# Altium PCB MT-PowerDispatch V1.0.0.PcbDoc (part 1 of 4) (continued)
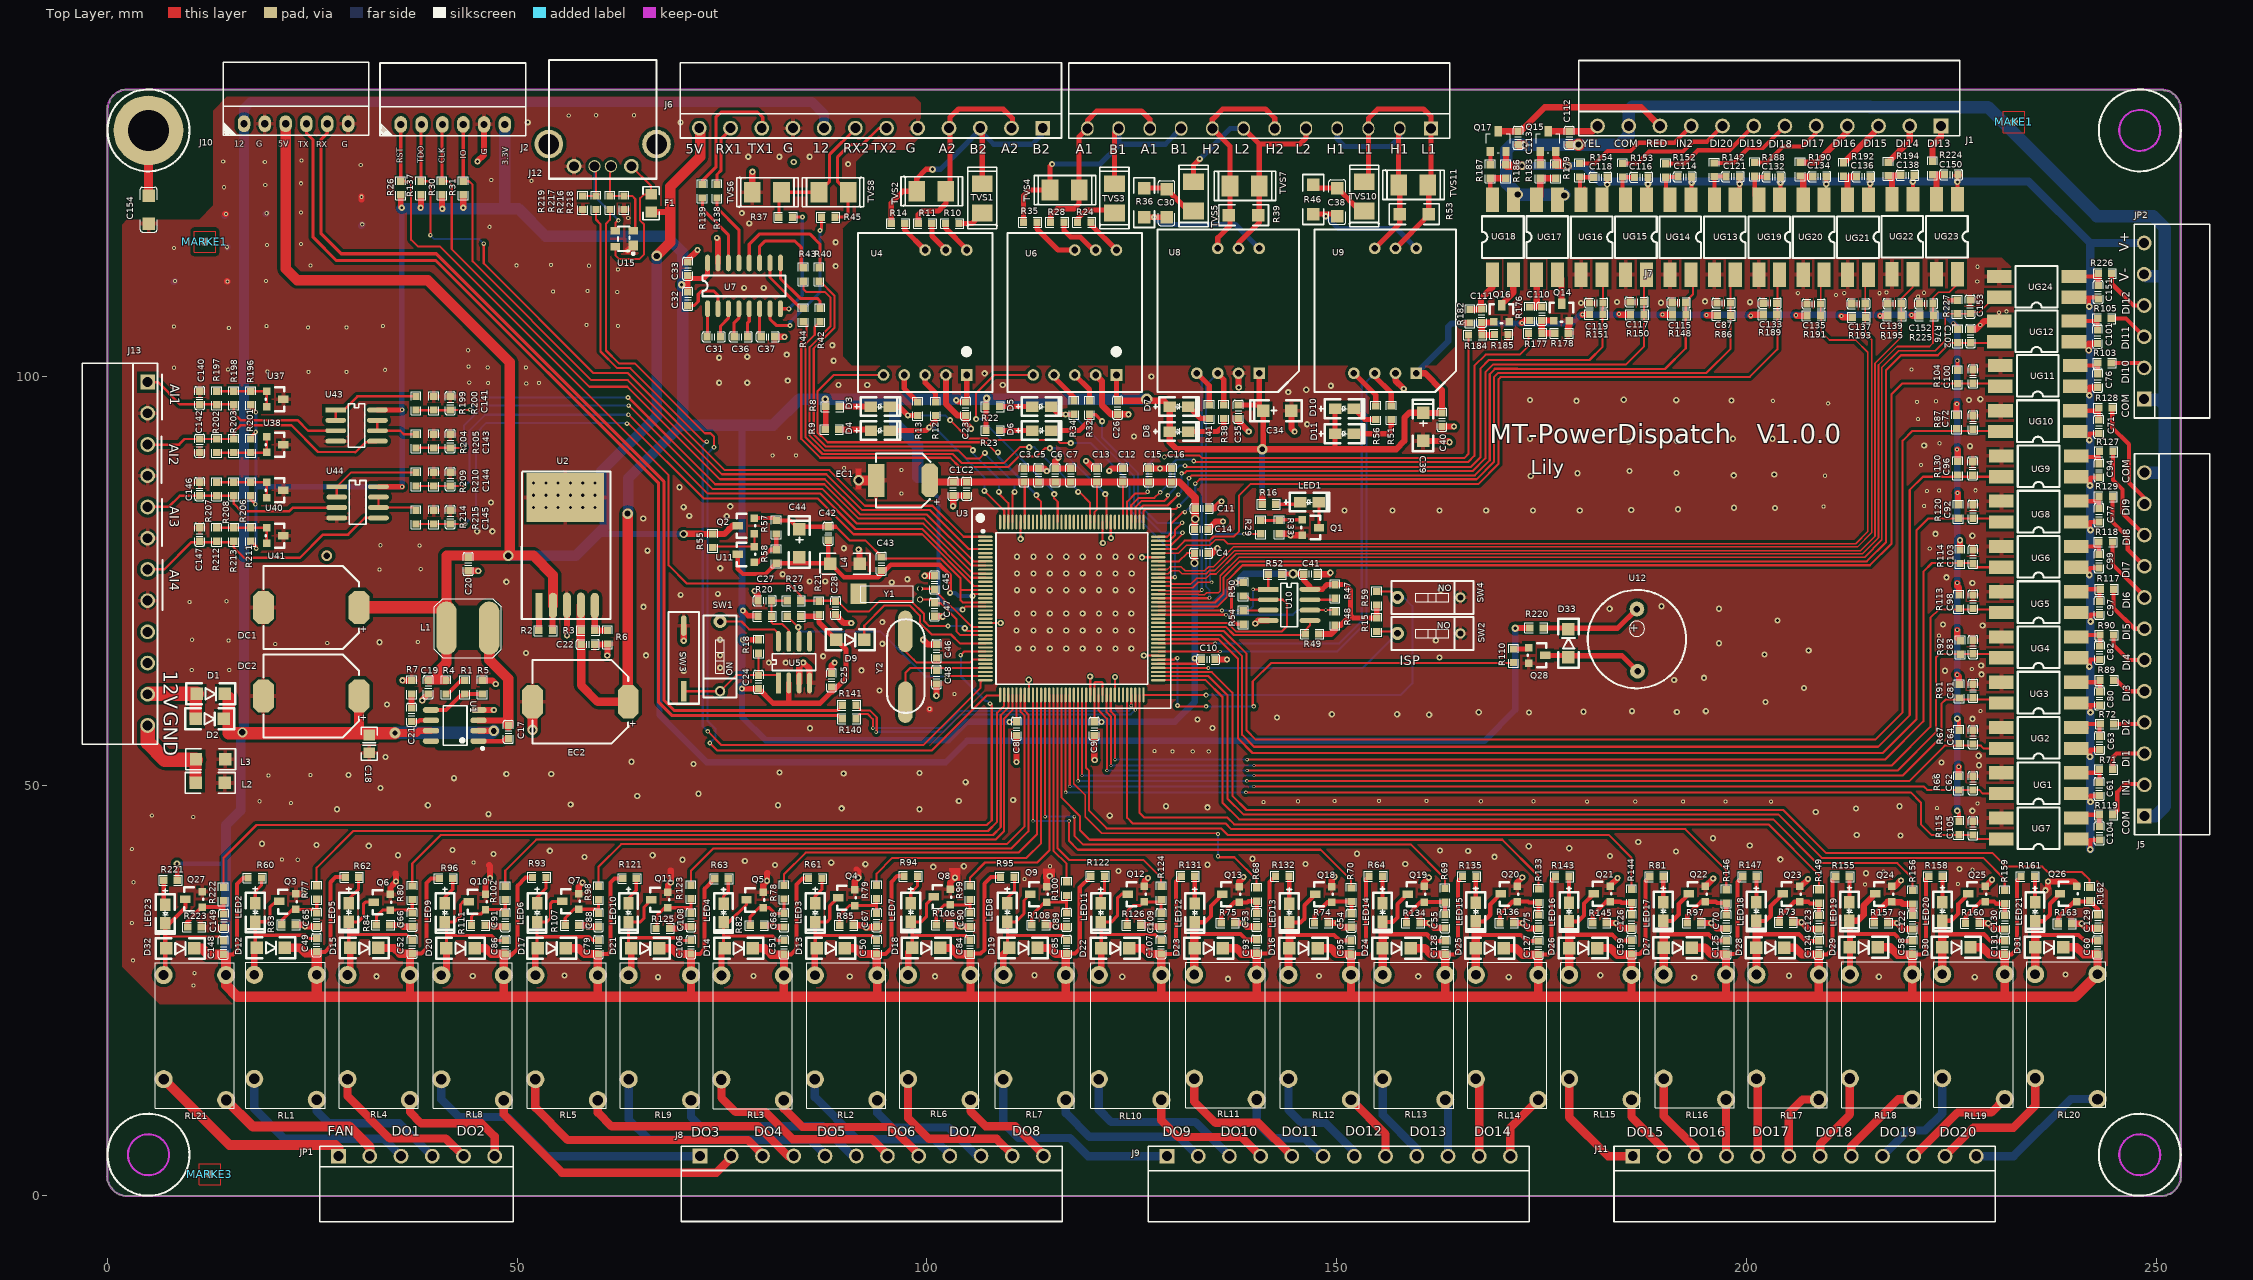
[diagram p0: Top Layer view]
## Components (designator, comment, footprint, x,y, rotation, side; value= is the part's Value field where it differs from the comment) (continued)
R12 "100R" 0603R 101.047,96.044 r90 top
R13 "100R" 0603R 98.888,96.044 r90 top
R14 "10R" 0603R 96.475,118.65 r180 top
R15 "10K" 0603R 154.889,69.672 r90 top
R16 "10K" 0603R 141.738,84.385 r180 top
R18 "10K" 0603R 79.457,67.02 r90 top
R19 "10K" 0603R 83.775,70.703 r180 top
R20 "10K" 0603R 80.219,70.703 r0 top
R21 "10K" 0603R 86.823,71.719 r90 top
R22 "2K" 0603R 108.032,96.298 r180 top
R23 "2K" 0603R 108.032,93.377 r180 top
R24 "10R" 0603R 119.208,118.777 r180 top
R26 "10K" 0603R 35.794,122.968 r270 top
R27 "1kR" 0603R 83.775,72.608 r0 top
R28 "10R" 0603R 115.906,118.777 r180 top
R29 "10K" 0603R 140.722,81.591 r90 top
R30 "10K" 0603R 40.832,122.968 r270 top
R31 "10K" 0603R 43.414,122.968 r270 top
R32 "100R" 0603R 119.843,96.171 r90 top
R33 "10K" 0603R 143.008,81.591 r90 top
R34 "100R" 0603R 117.938,96.171 r90 top
R35 "10R" 0603R 112.604,118.777 r180 top
R36 "1M" 1206R 126.511,122.976 r270 top
R37 "10R" 0603R 82.759,119.412 r180 top
R38 "2k" 0603R 136.226,95.663 r90 top
R39 "120R" 1206R 140.425,119.665 r180 top
R40 "0R" 0603R 86.823,112.427 r90 top
R41 "2k" 0603R 134.448,95.663 r90 top
R42 "0R" 0603R 86.95,107.474 r90 top
R43 "0R" 0603R 84.918,112.427 r90 top
R44 "0R" 0603R 84.918,107.474 r90 top
R45 "10R" 0603R 87.966,119.412 r0 top
R46 "1M" 1206R 147.147,119.785 r90 top
R47 "10K" 0603R 149.789,73.743 r270 top
R48 "10K" 0603R 149.789,70.441 r90 top
R49 "10K" 0603R 146.995,68.555 r180 top
R50 "10K" 0603R 138.613,73.997 r270 top
R51 "2k" 0603R 156.673,95.536 r90 top
R52 "10K" 0603R 142.474,75.851 r180 top
R53 "120R" 1206R 161.253,119.792 r180 top
R54 "10K" 0603R 138.613,70.568 r90 top
R55 "2K" 0603R 73.869,79.915 r90 top
R56 "2k" 0603R 154.768,95.536 r90 top
R57 "3.3k1%" 0603R 81.616,81.566 r90 top
R58 "10k1%" 0603R 81.616,78.01 r90 top
R59 "10K" 0603R 154.889,72.898 r270 top
R60 "10K" 0603R 17.976,38.767 r180 top
R61 "10K" 0603R 86.366,38.716 r180 top
R62 "10K" 0603R 29.825,38.869 r180 top
R63 "10K" 0603R 74.936,38.691 r180 top
R64 "10K" 0603R 154.768,38.989 r180 top
R66 "10K" 0603R 225.888,50.343 r270 top
R67 "10K" 0603R 225.933,55.982 r270 top
R68 "5.1K" 0603R 140.239,36.754 r270 top
R69 "5.1K" 0603R 163.226,36.652 r270 top
R70 "5.1K" 0603R 151.771,36.728 r270 top
R71 "10K" 0603R 243.891,52.019 r180 top
R72 "10K" 0603R 244.018,57.556 r180 top
R73 "4.7K" 0603R 204.831,33.376 r180 top
R74 "4.7K" 0603R 148.113,33.274 r180 top
R75 "4.7K" 0603R 136.734,33.274 r180 top
R76 "10K" 0603R 225.781,104.902 r270 top
R77 "5.1K" 0603R 25.533,36.989 r270 top
R78 "5.1K" 0603R 82.556,37.04 r270 top
R79 "5.1K" 0603R 93.859,37.065 r270 top
R80 "5.1K" 0603R 37.191,36.964 r270 top
R81 "10K" 0603R 189.032,38.938 r180 top
R82 "4.7K" 0603R 79.254,32.976 r180 top
R83 "4.7K" 0603R 22.104,33.052 r180 top
R84 "4.7K" 0603R 33.635,33.027 r180 top
R85 "4.7K" 0603R 90.176,33.001 r180 top
R86 "10K" 0603R 197.256,107.442 r0 top
R87 "10K" 0603R 225.654,94.412 r270 top
R89 "10K" 0603R 243.967,62.916 r180 top
R90 "10K" 0603R 243.967,68.428 r180 top
R91 "10K" 0603R 225.958,61.57 r270 top
R92 "10K" 0603R 226.085,66.904 r270 top
R93 "10K" 0603R 52.685,38.843 r180 top
R94 "10K" 0603R 98.024,38.996 r180 top
R95 "10K" 0603R 109.81,38.869 r180 top
R96 "10K" 0603R 41.306,38.716 r180 top
R97 "4.7K" 0603R 193.604,33.274 r180 top
R98 "5.1K" 0603R 59.924,36.938 r270 top
R99 "5.1K" 0603R 105.263,36.964 r270 top
R100 "5.1K" 0603R 117.049,37.472 r270 top
R102 "5.1K" 0603R 48.545,36.938 r270 top
R103 "10K" 0603R 243.713,101.625 r180 top
R104 "10K" 0603R 225.755,99.898 r270 top
R105 "10K" 0603R 243.688,107.036 r180 top
R106 "4.7K" 0603R 101.961,33.027 r180 top
R107 "4.7K" 0603R 56.686,33.001 r180 top
R108 "4.7K" 0603R 113.62,33.027 r180 top
R110 "4K7" 0603R 171.577,65.888 r270 top
R111 "4.7K" 0603R 45.243,33.001 r180 top
R113 "10K" 0603R 225.933,72.492 r270 top
R114 "10K" 0603R 226.066,77.978 r270 top
R115 "10K" 0603R 225.933,44.882 r270 top
R117 "10K" 0603R 243.992,74.016 r180 top
R118 "10K" 0603R 243.84,79.781 r180 top
R119 "10K" 0603R 243.891,46.482 r180 top
R120 "10K" 0603R 225.837,83.49 r270 top
R121 "10K" 0603R 63.709,38.716 r180 top
R122 "10K" 0603R 120.833,38.97 r180 top
R123 "5.1K" 0603R 71.202,37.065 r270 top
R124 "5.1K" 0603R 128.58,36.938 r270 top
R125 "4.7K" 0603R 67.773,32.62 r180 top
R126 "4.7K" 0603R 125.256,33.001 r180 top
R127 "10K" 0603R 243.916,90.805 r180 top
R128 "10K" 0603R 243.815,96.114 r180 top
R129 "10K" 0603R 243.865,85.293 r180 top
R130 "10K" 0603R 225.781,88.773 r270 top
R131 "10K" 0603R 131.857,38.989 r180 top
R132 "10K" 0603R 143.363,38.989 r180 top
R133 "5.1K" 0603R 174.631,36.601 r270 top
R134 "4.7K" 0603R 159.34,33.274 r180 top
R135 "10K" 0603R 166.172,38.964 r180 top
R136 "4.7K" 0603R 170.77,33.274 r180 top
R137 "10K" 0603R 38.25,122.968 r270 top
R138 "10R" 0603R 74.377,122.587 r90 top
R139 "10R" 0603R 72.599,122.587 r90 top
R140 "10R" 0603R 90.506,58.198 r0 top
R141 "10R" 0603R 90.506,59.849 r0 top
R142 "10K" 0603R 196.088,125.197 r270 top
R143 "10K" 0603R 177.526,38.938 r180 top
R144 "5.1K" 0603R 185.984,36.576 r270 top
R145 "4.7K" 0603R 182.073,33.274 r180 top
R146 "5.1K" 0603R 197.541,36.525 r270 top
R147 "10K" 0603R 200.386,38.938 r180 top
R148 "10K" 0603R 191.795,107.518 r0 top
R149 "5.1K" 0603R 208.844,36.5 r270 top
R150 "10K" 0603R 186.69,107.518 r0 top
R151 "10K" 0603R 181.686,107.544 r0 top
R152 "10K" 0603R 190.17,125.12 r270 top
R153 "10K" 0603R 184.887,125.146 r270 top
R154 "10K" 0603R 179.68,125.146 r270 top
R155 "10K" 0603R 211.74,38.938 r180 top
R156 "5.1K" 0603R 220.274,36.424 r270 top
R157 "4.7K" 0603R 216.439,33.274 r180 top
R158 "10K" 0603R 223.068,38.964 r180 top
R159 "5.1K" 0603R 231.527,36.449 r270 top
R160 "4.7K" 0603R 227.564,33.249 r180 top
R161 "10K" 0603R 234.346,38.964 r180 top
R162 "5.1K" 0603R 241.884,36.83 r270 top
R163 "4.7K" 0603R 238.867,33.198 r180 top
R176 "2K" 0603R 173.564,107.62 r90 top
R177 "3K" 0603R 174.224,105.258 r180 top
R178 "2K" 0603R 177.45,105.258 r180 top
R179 "10K" 0603R 176.739,124.993 r90 top
R182 "2K" 0603R 166.268,107.315 r90 top
R183 "1.5k" 0603R 174.834,124.993 r90 top
R184 "3K" 0603R 166.903,105.029 r180 top
R185 "2K" 0603R 170.078,105.105 r180 top
R186 "10K" 0603R 170.643,124.993 r90 top
R187 "1.5K" 0603R 168.738,124.993 r90 top
R188 "10K" 0603R 201.016,125.247 r270 top
R189 "10K" 0603R 202.87,107.493 r0 top
R190 "10K" 0603R 206.578,125.273 r270 top
R191 "10K" 0603R 208.229,107.391 r0 top
R192 "10K" 0603R 211.861,125.222 r270 top
R193 "10K" 0603R 213.741,107.213 r0 top
R194 "10K" 0603R 217.297,125.298 r270 top
R195 "10K" 0603R 218.084,107.366 r0 top
R196 "100R" 0603R 17.481,97.342 r270 top
R197 "4.7K/1%" 0603R 13.328,97.342 r90 top
R198 "4.7K/1%" 0603R 15.405,97.342 r90 top
R199 "200/1%" 0603R 37.643,96.698 r90 top
R200 "470/1%" 0603R 39.827,96.698 r270 top
R201 "100R" 0603R 17.481,91.515 r90 top
R202 "470R/1%" 0603R 13.328,91.515 r270 top
R203 "470R/1%" 0603R 15.405,91.515 r270 top
R204 "200/1%" 0603R 37.643,92.075 r90 top
R205 "470/1%" 0603R 39.827,92.075 r270 top
R206 "100R" 0603R 17.481,86.234 r270 top
R207 "470R/1%" 0603R 13.328,86.234 r90 top
R208 "470R/1%" 0603R 15.405,86.234 r90 top
R209 "200/1%" 0603R 37.643,87.435 r90 top
R210 "470/1%" 0603R 39.827,87.435 r270 top
R211 "100R" 0603R 17.481,80.68 r270 top
R212 "470R/1%" 0603R 13.328,80.68 r90 top
R213 "470R/1%" 0603R 15.405,80.68 r90 top
R214 "200/1%" 0603R 37.643,82.804 r90 top
R215 "470/1%" 0603R 39.827,82.804 r270 top
R216 "33R" 0603R 61.316,121.183 r270 top
R217 "33R" 0603R 59.614,121.183 r270 top
R218 "15K" 0603R 63.043,121.184 r90 top
R219 "15K" 0603R 58.014,121.184 r90 top
R220 "10R" 0603R 174.371,69.291 r180 top
R221 "10K" 0603R 7.696,38.506 r0 top
R222 "5.1K" 0603R 14.148,36.805 r270 top
R223 "4.7K" 0603R 10.617,32.791 r180 top
R224 "10K" 0603R 222.707,125.4 r270 top
R225 "10K" 0603R 221.996,107.366 r0 top
R226 "10K" 0603R 243.764,112.547 r180 top
R227 "10K" 0603R 225.73,108.458 r270 top
RL1 "JQ1P-24V" HF32F-12V 18.929,26.956 r90 top
RL2 "JQ1P-24V" HF32F-12V 87.339,26.905 r90 top
RL3 "JQ1P-24V" HF32F-12V 75.937,26.88 r90 top
RL4 "JQ1P-24V" HF32F-12V 30.305,26.931 r90 top
RL5 "JQ1P-24V" HF32F-12V 53.236,26.905 r90 top
RL6 "JQ1P-24V" HF32F-12V 98.716,26.931 r90 top
RL7 "JQ1P-24V" HF32F-12V 110.346,26.931 r90 top
RL8 "JQ1P-24V" HF32F-12V 41.758,26.905 r90 top locked
RL9 "JQ1P-24V" HF32F-12V 64.612,26.905 r90 top
RL10 "JQ1P-24V" HF32F-12V 122.002,26.931 r90 top
RL11 "JQ1P-24V" HF32F-12V 133.635,26.981 r90 top
RL12 "JQ1P-24V" HF32F-12V 145.141,26.956 r90 top
RL13 "JQ1P-24V" HF32F-12V 156.647,26.956 r90 top
RL14 "JQ1P-24V" HF32F-12V 168.001,26.956 r90 top
RL15 "JQ1P-24V" HF32F-12V 179.38,26.956 r90 top
RL16 "JQ1P-24V" HF32F-12V 190.912,26.981 r90 top
RL17 "JQ1P-24V" HF32F-12V 202.24,26.981 r90 top
RL18 "JQ1P-24V" HF32F-12V 213.645,27.007 r90 top
RL19 "JQ1P-24V" HF32F-12V 224.923,27.032 r90 top
RL20 "JQ1P-24V" HF32F-12V 236.251,27.032 r90 top
RL21 "JQ1P-24V" HF32F-12V 7.874,26.924 r90 top
SW1 "SW SPST" SW1#1 74.747,61.553 r0 top
SW2 "SW SPST" SW1#2 165.938,68.605 r90 top
SW3 "按键" SW 70.32,61.566 r90 top
SW4 "SW SPST" SW1#2 165.938,73 r90 top
TVS1 "BA301N" 3528TVS 106.762,119.92 r270 top
TVS2 "BA301N" 3528TVS 98.763,122.581 r180 top
TVS3 "BA301N" 3528TVS 122.891,119.92 r270 top
TVS4 "BA301N" 3528TVS 115.017,122.714 r180 top
TVS5 "BA301N" 3528TVS 132.543,120.174 r270 top
TVS6 "BA301N" 3528TVS 78.697,122.454 r180 top
TVS7 "BA301N" 3528TVS 136.99,123.216 r180 top
TVS8 "BA301N/NC" 3528TVS 90.379,122.46 r0 top
TVS10 "BA301N" 3528TVS 153.364,120.172 r270 top
TVS11 "BA301N" 3528TVS 157.562,123.349 r180 top
U1 "EUP3484" SOP-8 42.373,57.379 r90 top
U2 "MIC29302" TO5B 52.66,72.009 r90 top
U3 "LPC1778FBD144" LC-LQFP-144_20x20x05P 117.684,71.66 r270 top locked
U4 "RSM485S_CTM8251T" RSM485 104.857,100.159 r180 top locked
U5 "SP706SEN" SOP8 81.876,62.581 r90 top
U6 "RSM485S_CTM8251T" RSM485 123.128,100.159 r180 top locked
U7 "SP3232" SO-16 73.226,108.241 r90 top
U8 "CTM8251" CTM8251KT 140.561,100.362 r90 top locked
U9 "CTM8251" CTM8251KT 159.721,100.362 r90 top locked
U10 "FM25CL64" SOP8 141.668,73.991 r0 top
U11 "CJ431" SOT23#1 78.958,77.311 r90 top
U12 "BELL" BUZ 191.719,67.793 r180 top
U15 "PRTR5V0U2X" SOT-143B 64.16,115.951 r90 top
U37 "TL431" SOT23#1 19.431,98.146 r270 top
U38 "TL431" SOT23#1 19.431,92.591 r270 top
U40 "TL431" SOT23#1 19.431,87.037 r270 top
U41 "TL431" SOT23#1 19.431,81.483 r270 top
U43 "LM258" SOP8 27.864,95.885 r0 top
U44 "LM258" SOP8 27.991,86.512 r0 top
UG1 "PS2501L-1" DIP-4 240.213,49.066 r270 top
UG2 "PS2501L-1" DIP-4 240.213,54.59 r270 top
UG3 "PS2501L-1" DIP-4 240.213,60.113 r270 top
UG4 "PS2501L-1" DIP-4 240.213,65.637 r270 top
UG5 "PS2501L-1" DIP-4 240.213,71.161 r270 top
UG6 "PS2501L-1" DIP-4 240.213,76.684 r270 top
UG7 "PS2501L-1" DIP-4 240.213,43.542 r270 top
UG8 "PS2501L-1" DIP-4 240.213,82.208 r270 top
UG9 "PS2501L-1" DIP-4 240.213,87.732 r270 top
UG10 "PS2501L-1" DIP-4 240.137,93.243 r270 top
UG11 "PS2501L-1" DIP-4 240.112,98.771 r270 top
UG12 "PS2501L-1" DIP-4 239.959,104.197 r270 top
UG13 "PS2501L-1" DIP-4 198.644,121.539 r0 top
UG14 "PS2501L-1" DIP-4 193.225,121.539 r0 top
UG15 "PS2501L-1" DIP-4 187.806,121.539 r0 top
UG16 "PS2501L-1" DIP-4 182.387,121.539 r0 top
UG17 "PS2501L-1" DIP-4 174.402,112.426 r180 top
UG18 "PS2501L-1" DIP-4 169.012,112.42 r180 top
UG19 "PS2501L-1" DIP-4 204.063,121.539 r0 top
UG20 "PS2501L-1" DIP-4 209.482,121.539 r0 top
UG21 "PS2501L-1" DIP-4 214.901,121.539 r0 top
UG22 "PS2501L-1" DIP-4 220.32,121.59 r0 top
UG23 "PS2501L-1" DIP-4 225.755,121.59 r0 top
UG24 "PS2501L-1" DIP-4 239.959,109.626 r270 top
Y1 "32.768KHz" ZS-32.768 99.147,74.077 r180 top
Y2 "12M" ZS_SMD 97.364,60.23 r90 top

## Footprints (in the part's own frame and the unit in brackets; to place one, negate y for a bottom-side part, rotate by r counter-clockwise, add the part's x,y. Pads: shape width x height; smd on the part's side, far side on the other; paste and mask are expansions set on the pad)
0603C [mil]
  rect 35x35 smd: 1(-32.5,0) 2(32.5,0)
  silkscreen extent -55,-24 55,24
0603R [mil]
  rect 35x35 smd: 1(-32.5,0) 2(32.5,0)
  silkscreen extent -55,-24 55,24
0805C [mil]
  rect 52x56 smd: 1(-0.58,-0.68) 2(84.42,-0.68)
  silkscreen extent -38,-40 121,38
0805R [mil]
  rect 52x56 smd: 1(0,0) 2(85,0)
  silkscreen extent -37,-39 122,39
1206C [mil]
  rect 60x60 smd: 1(0,0) 2(135,0)
  silkscreen extent -40,-40 175,40
1206D [mil]
  rect 60x60 smd: 1(-67.5,0) 2(67.5,0)
  silkscreen extent -118,-50 118,50
1206R [mil]
  rect 60x60 smd: 1(0.33,-0.04) 2(140.33,-0.04)
  silkscreen extent -50,-50 190,50
3528TVS [mil]
  rect 80x100 smd: 1(0.09,-0.25) 2(-139.91,-0.25)
  silkscreen extent -220,-70 76,70
BUZ [mm]
  round 1.8 hole 0.8: 1(5.08,-3.8) 2(5,3.8)
  silkscreen extent -0.92,-6.13 11.08,5.87
C100UF16VEJ [mil]
  oct 80x160 smd: 1(-0.01,-0.43)
  rect 80x160 smd: 2(257.94,0.35)
  silkscreen extent -2,-130 258,130
C470UF25VEJ [mil]
  oct 100x160 smd: 1(0.03,-0.03) 2(460.03,-0.03)
  silkscreen extent 0,-200 460,200
CA1206 [mil]
  rect 60x60 smd: 1(-0.08,-0.48) 2(-135.08,-0.48)
  silkscreen extent -185,-50 62,50
CON6-2.54mm-90 [mil]
  oval 60x80 hole 35: 1(0,0) 2(100,0) 3(200,0) 4(300,0) 5(400,0) 6(500,0)
  silkscreen extent -100,-55 600,295
CON-3.81MM-6P [mm] "CON-3.81MM-6P"
  rect 1.8x1.8 hole 1.2: 1(-9.525,0)
  round 1.8 hole 1.2: 2(-5.715,0) 3(-1.905,0) 4(1.905,0) 5(5.715,0) 6(9.525,0)
  silkscreen extent -11.82,-8 11.81,1.2
CTM8251KT [mil]
  rect 56x56 hole 32: 1(0,0)
  round 56 hole 32: 2(0,100) 3(0,200) 4(0,300) 6(600,200) 7(600,100) 8(600,0)
  silkscreen extent -90,-190 690,490, body extent -90,-190 690,490, height 276
D0805 [mil]
  rect 50x60 smd: 1(-0.34,-0.09) 2(-0.34,-90.09)
  silkscreen extent -45,-140 45,77
DIP-4 [mm]
  rect 1.6x3 smd: 1(-0.008,0.015) 2(-2.548,0.015) 3(-2.548,-9.129) 4(-0.008,-9.129)
  silkscreen extent -3.82,-7.1 1.26,-2.02
HF32F-12V [mm]
  round 2.2 hole 1.2: 1(0,1.016) 2(0,-6.604)
  round 2.2 hole 1.3: 3(-12.7,1.016) 4(-15.24,-6.604)
  silkscreen extent -16.26,-7.62 1.52,2.03
KF2EDG-12P-3.81mm#1 [mm]
  rect 1.8x1.8 hole 1.2: 1(-20.955,0)
  round 1.8 hole 1.2: 2(-17.145,0) 3(-13.335,0) 4(-9.525,0) 5(-5.715,0) 6(-1.905,0) 7(1.905,0) 8(5.715,0) 9(9.525,0) 10(13.335,0) 11(17.145,0) 12(20.955,0)
  silkscreen extent -23.26,-8 23.26,1.2
KF2EDG-12P-3.81mm#2 [mm]
  rect 1.676x1.676 hole 1.2: 1(0,0)
  oval 1.422x1.778 hole 1.2: 2(3.81,0) 3(7.62,0) 4(11.43,0)
  oval 1.524x1.778 hole 1.2: 5(15.24,0) 6(19.05,0) 7(22.86,0) 8(26.67,0) 9(30.48,0) 10(34.29,0) 11(38.1,0) 12(41.91,0)
  silkscreen extent -2.3,-8 44.21,1.2
LC7*7*3_L [mm]
  oval 2.5x6.5 smd: 1(-2.6,0) 2(2.6,0)
  Top Layer pour cut-out: -1.803,2.705 1.854,2.705 1.854,-2.705 -1.803,-2.705
  silkscreen extent -4.09,-3.61 4.09,3.61, body extent -2.46,-2.4 1.85,2.4, height 3.5
LC-LQFP-144_20x20x05P [mm]
  oval 0.28x1.8 smd mask+0.051: 1(-8.75,-10.55) 2(-8.25,-10.55) 3(-7.75,-10.55) 4(-7.25,-10.55) 5(-6.75,-10.55) 6(-6.25,-10.55) 7(-5.75,-10.55) 8(-5.25,-10.55) 9(-4.75,-10.55) 10(-4.25,-10.55) 11(-3.75,-10.55) 12(-3.25,-10.55) 13(-2.75,-10.55) 14(-2.25,-10.55) 15(-1.75,-10.55) 16(-1.25,-10.55) 17(-0.75,-10.55) 18(-0.25,-10.55) 19(0.25,-10.55) 20(0.75,-10.55) 21(1.25,-10.55) 22(1.75,-10.55) 23(2.25,-10.55) 24(2.75,-10.55) 25(3.25,-10.55) 26(3.75,-10.55) 27(4.25,-10.55) 28(4.75,-10.55) 29(5.25,-10.55) 30(5.75,-10.55) 31(6.25,-10.55) 32(6.75,-10.55) 33(7.25,-10.55) 34(7.75,-10.55) 35(8.25,-10.55) 36(8.75,-10.55) 73(8.75,10.55) 74(8.25,10.55) 75(7.75,10.55) 76(7.25,10.55) 77(6.75,10.55) 78(6.25,10.55) 79(5.75,10.55) 80(5.25,10.55) 81(4.75,10.55) 82(4.25,10.55) 83(3.75,10.55) 84(3.25,10.55) 85(2.75,10.55) 86(2.25,10.55) 87(1.75,10.55) 88(1.25,10.55) 89(0.75,10.55) 90(0.25,10.55) 91(-0.25,10.55) 92(-0.75,10.55) 93(-1.25,10.55) 94(-1.75,10.55) 95(-2.25,10.55) 96(-2.75,10.55) 97(-3.25,10.55) 98(-3.75,10.55) 99(-4.25,10.55) 100(-4.75,10.55) 101(-5.25,10.55) 102(-5.75,10.55) 103(-6.25,10.55) 104(-6.75,10.55) 105(-7.25,10.55) 106(-7.75,10.55) 107(-8.25,10.55) 108(-8.75,10.55)
  oval 1.8x0.28 smd mask+0.051: 37(10.55,-8.75) 38(10.55,-8.25) 39(10.55,-7.75) 40(10.55,-7.25) 41(10.55,-6.75) 42(10.55,-6.25) 43(10.55,-5.75) 44(10.55,-5.25) 45(10.55,-4.75) 46(10.55,-4.25) 47(10.55,-3.75) 48(10.55,-3.25) 49(10.55,-2.75) 50(10.55,-2.25) 51(10.55,-1.75) 52(10.55,-1.25) 53(10.55,-0.75) 54(10.55,-0.25) 55(10.55,0.25) 56(10.55,0.75) 57(10.55,1.25) 58(10.55,1.75) 59(10.55,2.25) 60(10.55,2.75) 61(10.55,3.25) 62(10.55,3.75) 63(10.55,4.25) 64(10.55,4.75) 65(10.55,5.25) 66(10.55,5.75) 67(10.55,6.25) 68(10.55,6.75) 69(10.55,7.25) 70(10.55,7.75) 71(10.55,8.25) 72(10.55,8.75) 109(-10.55,8.75) 110(-10.55,8.25) 111(-10.55,7.75) 112(-10.55,7.25) 113(-10.55,6.75) 114(-10.55,6.25) 115(-10.55,5.75) 116(-10.55,5.25) 117(-10.55,4.75) 118(-10.55,4.25) 119(-10.55,3.75) 120(-10.55,3.25) 121(-10.55,2.75) 122(-10.55,2.25) 123(-10.55,1.75) 124(-10.55,1.25) 125(-10.55,0.75) 126(-10.55,0.25) 127(-10.55,-0.25) 128(-10.55,-0.75) 129(-10.55,-1.25) 130(-10.55,-1.75) 131(-10.55,-2.25) 132(-10.55,-2.75) 133(-10.55,-3.25) 134(-10.55,-3.75) 135(-10.55,-4.25) 136(-10.55,-4.75) 137(-10.55,-5.25) 138(-10.55,-5.75) 139(-10.55,-6.25) 140(-10.55,-6.75) 141(-10.55,-7.25) 142(-10.55,-7.75) 143(-10.55,-8.25) 144(-10.55,-8.75)
  silkscreen extent -12.19,-12.19 12.19,12.07
MARK1.0 [mm]
  round 1 smd mask+0.5: 1(0,0)
  Top Layer lines w0.127: -1.3,1.3 1.3,1.3 1.3,-1.3 -1.3,-1.3 -1.3,1.3
RSM485 [mil]
  rect 56x56 hole 32: 1(0,0)
  round 56 hole 32: 2(100,0) 3(200,0) 4(300,0) 5(400,0) 8(200,-600) 9(100,-600) 10(0,-600)
  silkscreen extent -123,-682 523,82
SO-16 [mil]
  oval 80x24 smd: 1(-0.2,-0.3) 2(-0.2,-50.3) 3(-0.2,-100.3) 4(-0.2,-150.3) 5(-0.2,-200.3) 6(-0.2,-250.3) 7(-0.2,-300.3) 8(-0.2,-350.3) 9(219.8,-350.3) 10(219.8,-300.3) 11(219.8,-250.3) 12(219.8,-200.3) 13(219.8,-150.3) 14(219.8,-100.3) 15(219.8,-50.3) 16(219.8,-0.3)
  silkscreen extent 60,-375 160,25
SOP8 [mm]
  rect 2.54x0.6 smd: 1(-0.006,0.006)
  oval 2.54x0.6 smd: 2(-0.006,-1.264) 3(-0.006,-2.534) 4(-0.006,-3.804) 5(5.074,-3.804) 6(5.074,-2.534) 7(5.074,-1.264) 8(5.074,0.006)
  silkscreen extent 1.52,-4.57 3.55,0.77
SOP-8 [mm] "SOP-8"
  oval 0.7x2 smd: 1(-1.905,-2.9) 2(-0.635,-2.9) 3(0.635,-2.9) 4(1.905,-2.9) 5(1.905,2.9) 6(0.635,2.9) 7(-0.635,2.9) 8(-1.905,2.9)
  silkscreen extent -2.95,-3.55 2.4,1.42
SOT23#1 [mil]
  rect 36x36 smd: 1(-0.49,0.35) 3(74.51,0.35)
  rect 36x50 smd: 2(37.51,80.35)
  silkscreen extent -20,-5 95,85
SOT23#2 [mil]
  rect 36x36 smd: 1(-0.08,0.75) 3(74.92,0.75)
  rect 36x50 smd: 2(37.92,80.75)
  silkscreen extent -20,-4 95,86
SOT-23L [mm]
  rect 0.9x1.1 smd: 1(0,0) 3(1.905,0)
  rect 0.914x1.27 smd: 2(0.965,2.5)
  silkscreen extent -0.51,-0.13 2.41,2.16
SOT-143B [mil]
  rect 46x46 smd: 1(0,0)
  rect 36x46 smd: 2(70,0) 3(70,86) 4(-5,86)
  silkscreen extent -45,-6 91,73
SW [mm]
  rect 2.5x0.7 smd: 1(-0.006,0.008)
  oval 2.5x0.7 smd: 2(7.994,0.008)
  silkscreen extent -1.53,-1.84 9.65,1.86
SW1#1 [mm]
  round 1.27 hole 0.762: 1(0.011,0.015)
  round 1.6 hole 0.8: 2(0.011,8.515)
  silkscreen extent -1.99,-0.74 2.01,9.26
SW1#2 [mm]
  round 1.27 hole 0.762: 1(0.011,0.838)
  round 1.6 hole 0.8: 2(0.011,8.515)
  silkscreen extent -1.99,-0.74 2.01,9.26
TO5B [mm]
  rect 3.1x0.9 smd: 1(-0.001,-0.004)
  oval 3.1x1 smd: 2(0.024,-1.706) 3(0.05,-3.407) 4(0.05,-5.109) 5(-0.001,-6.811)
  rect 6x9.5 smd: 6(13.199,-3.204)
  silkscreen extent -1.65,-8.72 16.36,2.1
USB-A [mm]
  round 1.8 hole 1.2: 1(0,0) 4(7,0)
  round 1.5 hole 1.2: 2(2.5,0) 3(4.5,0)
  round 3.5 hole 2.5: 5(-3.07,-2.71) 5(10.07,-2.71)
  silkscreen extent -3.07,-12.95 10.07,1.52
ZS-32.768 [mil]
  oval 30x20 / inner oval 40x28 / far side oval 40x28 hole 20: 1(0.21,0.15)
  oval 30x28 / inner oval 40x28 / far side oval 40x28 hole 20: 2(-0.79,52.15)
  rect 78.74x98.42 smd: 3(295,25)
  silkscreen extent 33,-14 283,66
ZS_SMD [mil]
  oval 200x70 smd: 1(0,0) 2(340,0)
  silkscreen extent -51,-92 399,88

## Part data
C1 C2 C3 C4 C5 C6 C7 C8 C9 C10 C11 C12 C13 C14 C15 C16 C41 C45 C46 C47 C48: library part CAP1
C17 C18 C21: library part CAP
C19 C20 C31 C32 C33 C35 C36 C37 C40 C42 C43 C49 C50 C53 C58 C59 C61 C62 C63 C64 C65 C67 C71 C72 C76 C77 C79 C80 C81 C82 C83 C87 C88 C92 C93 C94 C96 C97 C98 C99 C100 C101 C102 C103 C104 C105 C110 C111 C112 C113 C114 C115 C116 C117 C118 C119 C121 C122 C126 C132 C133 C134 C135 C136 C137 C138 C139 C140 C142 C146 C147 C150 C151 C152 C153: library part CAP, "Capacitor"
C22 C24 C25 C27 C28: library part CAP1, "CAP"
C23 C26: library part CAP_1
C30 C38 C154: library part 0.1uF, "C0603"
C34 C39 C44 DC1 DC2 EC1: library part CAP2
C51 C52 C54 C55 C60 C66 C68 C70 C75 C84 C85 C86 C89 C90 C91 C95 C106 C107 C108 C109 C123 C124 C125 C127 C128 C129 C130 C131 C148 C149: library part Cap, "Capacitor"
C141 C143 C144 C145: library part CAP1, "Capacitor"
D1 D2 D9 D12 D13 D14 D15 D16 D17 D18 D19 D20 D21 D22 D23 D24 D25 D26 D27 D28 D29 D30 D31 D32 D33: library part DIODE
D3 D4 D5 D6 D7 D8 D10 D11 LED1 LED2 LED3 LED4 LED5 LED6 LED7 LED8 LED9 LED10 LED11 LED12 LED13 LED14 LED15 LED16 LED17 LED18 LED19 LED20 LED21 LED23: library part LED
EC2: library part "CAPACITOR POL", "Capacitor"
F1: library part FUSE1, "Fuse"
J1 J5 J6 J7 J8 J9 J11 J13: library part CON12
J2 J10 J12: "Connector"
L1 L2 L3 L4: library part INDUCTOR
MAKE1 MARKE1 MARKE3: library part CON1, "Connector"
Q1 Q2 Q3 Q4 Q5 Q6 Q7 Q8 Q9 Q10 Q11 Q12 Q13 Q14 Q16 Q18 Q19 Q20 Q21 Q22 Q23 Q24 Q25 Q26 Q27 Q28: library part NPN
Q15 Q17: library part PMOS
R1 R4 R5 R7: library part R_S
R2 R3 R6 R16 R18 R19 R20 R21 R26 R27 R29 R30 R31 R33 R47 R48 R49 R50 R52 R54 R55 R57 R58 R59 R60 R61 R62 R63 R64 R66 R67 R68 R69 R70 R71 R72 R73 R74 R75 R76 R77 R78 R79 R80 R81 R82 R83 R84 R85 R86 R87 R89 R90 R91 R92 R93 R94 R95 R96 R97 R98 R99 R100 R102 R104 R106 R107 R108 R111 R113 R114 R115 R120 R121 R122 R123 R124 R125 R126 R130 R131 R132 R133 R134 R135 R136 R137 R140 R141 R143 R144 R145 R146 R147 R148 R149 R150 R151 R155 R156 R157 R158 R159 R160 R161 R162 R163 R176 R177 R178 R179 R182 R183 R184 R185 R186 R187 R189 R191 R193 R195 R197 R198 R199 R200 R202 R203 R204 R205 R207 R208 R209 R210 R212 R213 R214 R215 R221 R222 R223 R225 R227: library part RES1
R8 R9 R10 R11 R12 R13 R14 R15 R22 R23 R24 R28 R32 R34 R35 R37 R40 R42 R43 R44 R45 R103 R105 R110 R117 R118 R119 R127 R128 R129 R138 R139 R142 R152 R153 R154 R188 R190 R192 R194 R196 R201 R206 R211 R220 R224 R226: library part RES-1, "RES"
R36 R38 R39 R41 R46 R51 R53 R56 R216 R217 R218 R219: library part RES2
RL1 RL2 RL3 RL4 RL5 RL6 RL7 RL8 RL9 RL10 RL11 RL12 RL13 RL14 RL15 RL16 RL17 RL18 RL19 RL20 RL21: library part JQ1P-12V
SW3: library part SW-PB
TVS1 TVS3 TVS5 TVS6 TVS10: library part TVS-D
TVS2 TVS4 TVS7 TVS8 TVS11: library part TVS
U3: library part LPC1778LQFP144
U7: library part MAX232ESE
U11: library part TL431, "TL431,SOT23/ST/ON"
U12: "Bell"
U15: library part PRTR5V0U2X_1
U43 U44: library part AS358P-E1
UG1 UG2 UG3 UG4 UG5 UG6 UG7 UG8 UG9 UG10 UG11 UG12 UG13 UG14 UG15 UG16 UG17 UG18 UG19 UG20 UG21 UG22 UG23 UG24: library part PS2501-1
Y1 Y2: library part CRYSTAL

## Free pads (board coordinates)
  round 8.5 hole 5: 0(5,130)
  round 0.508 hole 0.254: 12(8.103,106.07) 13(14.808,105.893) 14(19.406,106.121) 15(24.486,105.969) 16(29.159,105.969) 17(33.604,106.121) 18(33.884,100.787) 19(29.159,100.533) 20(24.536,100.533) 21(19.507,100.584) 22(14.707,100.813) 23(8.128,101.041) 24(49.911,113.538) 25(54.127,113.589) 26(58.75,113.487) 27(54.381,110.338) 28(58.598,110.414) 29(58.471,106.274) 30(62.281,113.03) 31(62.205,110.261) 32(62.281,106.147) 33(83.16,92.481) 34(81.178,90.348) 35(84.023,90.348) 36(89.891,88.798) 37(96.876,88.57) 38(96.876,85.7) 39(103.353,61.214) 40(100.33,59.385) 41(10.033,72.441) 42(14.529,72.542) 43(10.338,67.843) 44(14.783,67.742) 45(10.287,64.16) 46(14.859,64.16) 47(20.472,67.31) 48(26.822,67.437) 49(33.299,79.375) 50(38.1,79.324) 51(33.198,76.403) 52(38.227,76.454) 53(37.871,67.564) 54(24.765,51.333) 55(22.377,47.904) 56(19.634,51.283) 57(18.567,48.133) 58(10.465,46.203) 59(5.41,46.38) 60(10.49,25.654) 61(10.617,27.153) 62(3.124,28.727) 63(2.972,33.274) 64(3.175,38.252) 65(2.972,42.291) 66(127.762,54.254) 67(129.972,54.229) 68(132.436,54.229) 69(134.391,54.229) 70(51.054,101.067) 71(51.105,99.111) 72(52.654,99.187) 73(46.406,101.067) 74(46.457,99.187) 75(44.018,103.175) 76(44.069,101.168) 77(44.145,99.212) 78(141.072,48.031) 79(145.288,48.133) 80(149.758,48.158) 81(155.169,48.184) 82(160.96,48.184) 83(167.589,48.133) 84(174.015,48.133) 85(180.569,48.082) 86(186.436,48.108) 87(192.278,48.108) 88(197.46,48.108) 89(203.022,48.082) 90(227.584,39.776) 91(225.806,38.049) 92(214.478,37.998) 93(216.738,39.548) 94(115.011,40.208) 95(111.912,38.633) 96(23.216,40.996) 97(21.285,41.021) 98(44.679,40.665) 99(203.225,97.003) 100(209.982,96.698) 101(209.855,92.761) 102(209.601,87.859) 103(209.423,84.099) 104(220.828,96.876) 105(223.139,96.952) 106(220.955,94.767) 107(221.31,89.179) 108(223.571,91.821) 109(222.021,85.979) 110(223.52,86.055) 111(221.691,84.176) 112(222.377,78.969) 113(223.495,68.351) 114(227.508,64.262) 115(228.549,59.131) 116(222.885,51.079) 117(223.266,47.295) 118(228.219,47.879) 119(231.75,107.925) 120(216.764,104.673) 121(220.955,109.728) 122(217.094,110.236) 123(211.938,110.134) 124(206.273,110.134) 125(56.286,131.801) 126(59.639,131.851) 127(64.262,131.851) 128(46.838,123.952) 129(51.74,123.85) 130(46.634,118.237)

## Via types
v1: diameter 0.762, hole 0.381, Top Layer to Bottom Layer, 340 vias
v2: diameter 0.762, hole 0.305, Top Layer to Bottom Layer, 95 vias
v3: diameter 0.508, hole 0.254, Top Layer to Bottom Layer, 48 vias
v4: diameter 0.559, hole 0.254, Top Layer to Bottom Layer, 41 vias
v5: diameter 0.406, hole 0.254, Top Layer to Bottom Layer, 24 vias
v6: diameter 0.813, hole 0.381, Top Layer to Bottom Layer, 23 vias
v7: diameter 1.27, hole 0.762, Top Layer to Bottom Layer, 9 vias
v8: diameter 0.457, hole 0.254, Top Layer to Bottom Layer, 9 vias
v9: diameter 0.508, hole 0.305, Top Layer to Bottom Layer, 6 vias
v10: diameter 0.61, hole 0.254, Top Layer to Bottom Layer, 5 vias
v11: diameter 1.016, hole 0.635, Top Layer to Bottom Layer, 3 vias
v12: diameter 0.914, hole 0.406, Top Layer to Bottom Layer, 3 vias
v13: diameter 1.067, hole 0.508, Top Layer to Bottom Layer, 2 vias
v14: diameter 0.61, hole 0.305, Top Layer to Bottom Layer, 2 vias
v15: diameter 1.27, hole 0.711, Top Layer to Bottom Layer, 2 vias
v16: diameter 1.016, hole 0.508, Top Layer to Bottom Layer, 1 vias
v17: diameter 0.559, hole 0.381, Top Layer to Bottom Layer, 1 vias
v18: diameter 0.864, hole 0.381, Top Layer to Bottom Layer, 1 vias
v19: diameter 1.321, hole 0.66, Top Layer to Bottom Layer, 1 vias
v20: diameter 1.397, hole 0.762, Top Layer to Bottom Layer, 1 vias
v21: diameter 1.143, hole 0.635, Top Layer to Bottom Layer, 1 vias
v22: diameter 1.2, hole 0.8, Top Layer to Bottom Layer, 1 vias
v23: diameter 0.92, hole 0.45, Top Layer to Bottom Layer, 1 vias